# Altium PCB top_INA_v3.PcbDoc (part 3 of 5)
Units mil, origin at the board's own origin, x right, y up, seen from the top; angles counter-clockwise.
Board outline 10160 x 5830 mil, 2 copper layers (Top Layer, Bottom Layer); 635 components, 633 nets, 1722 pads, 292 vias.
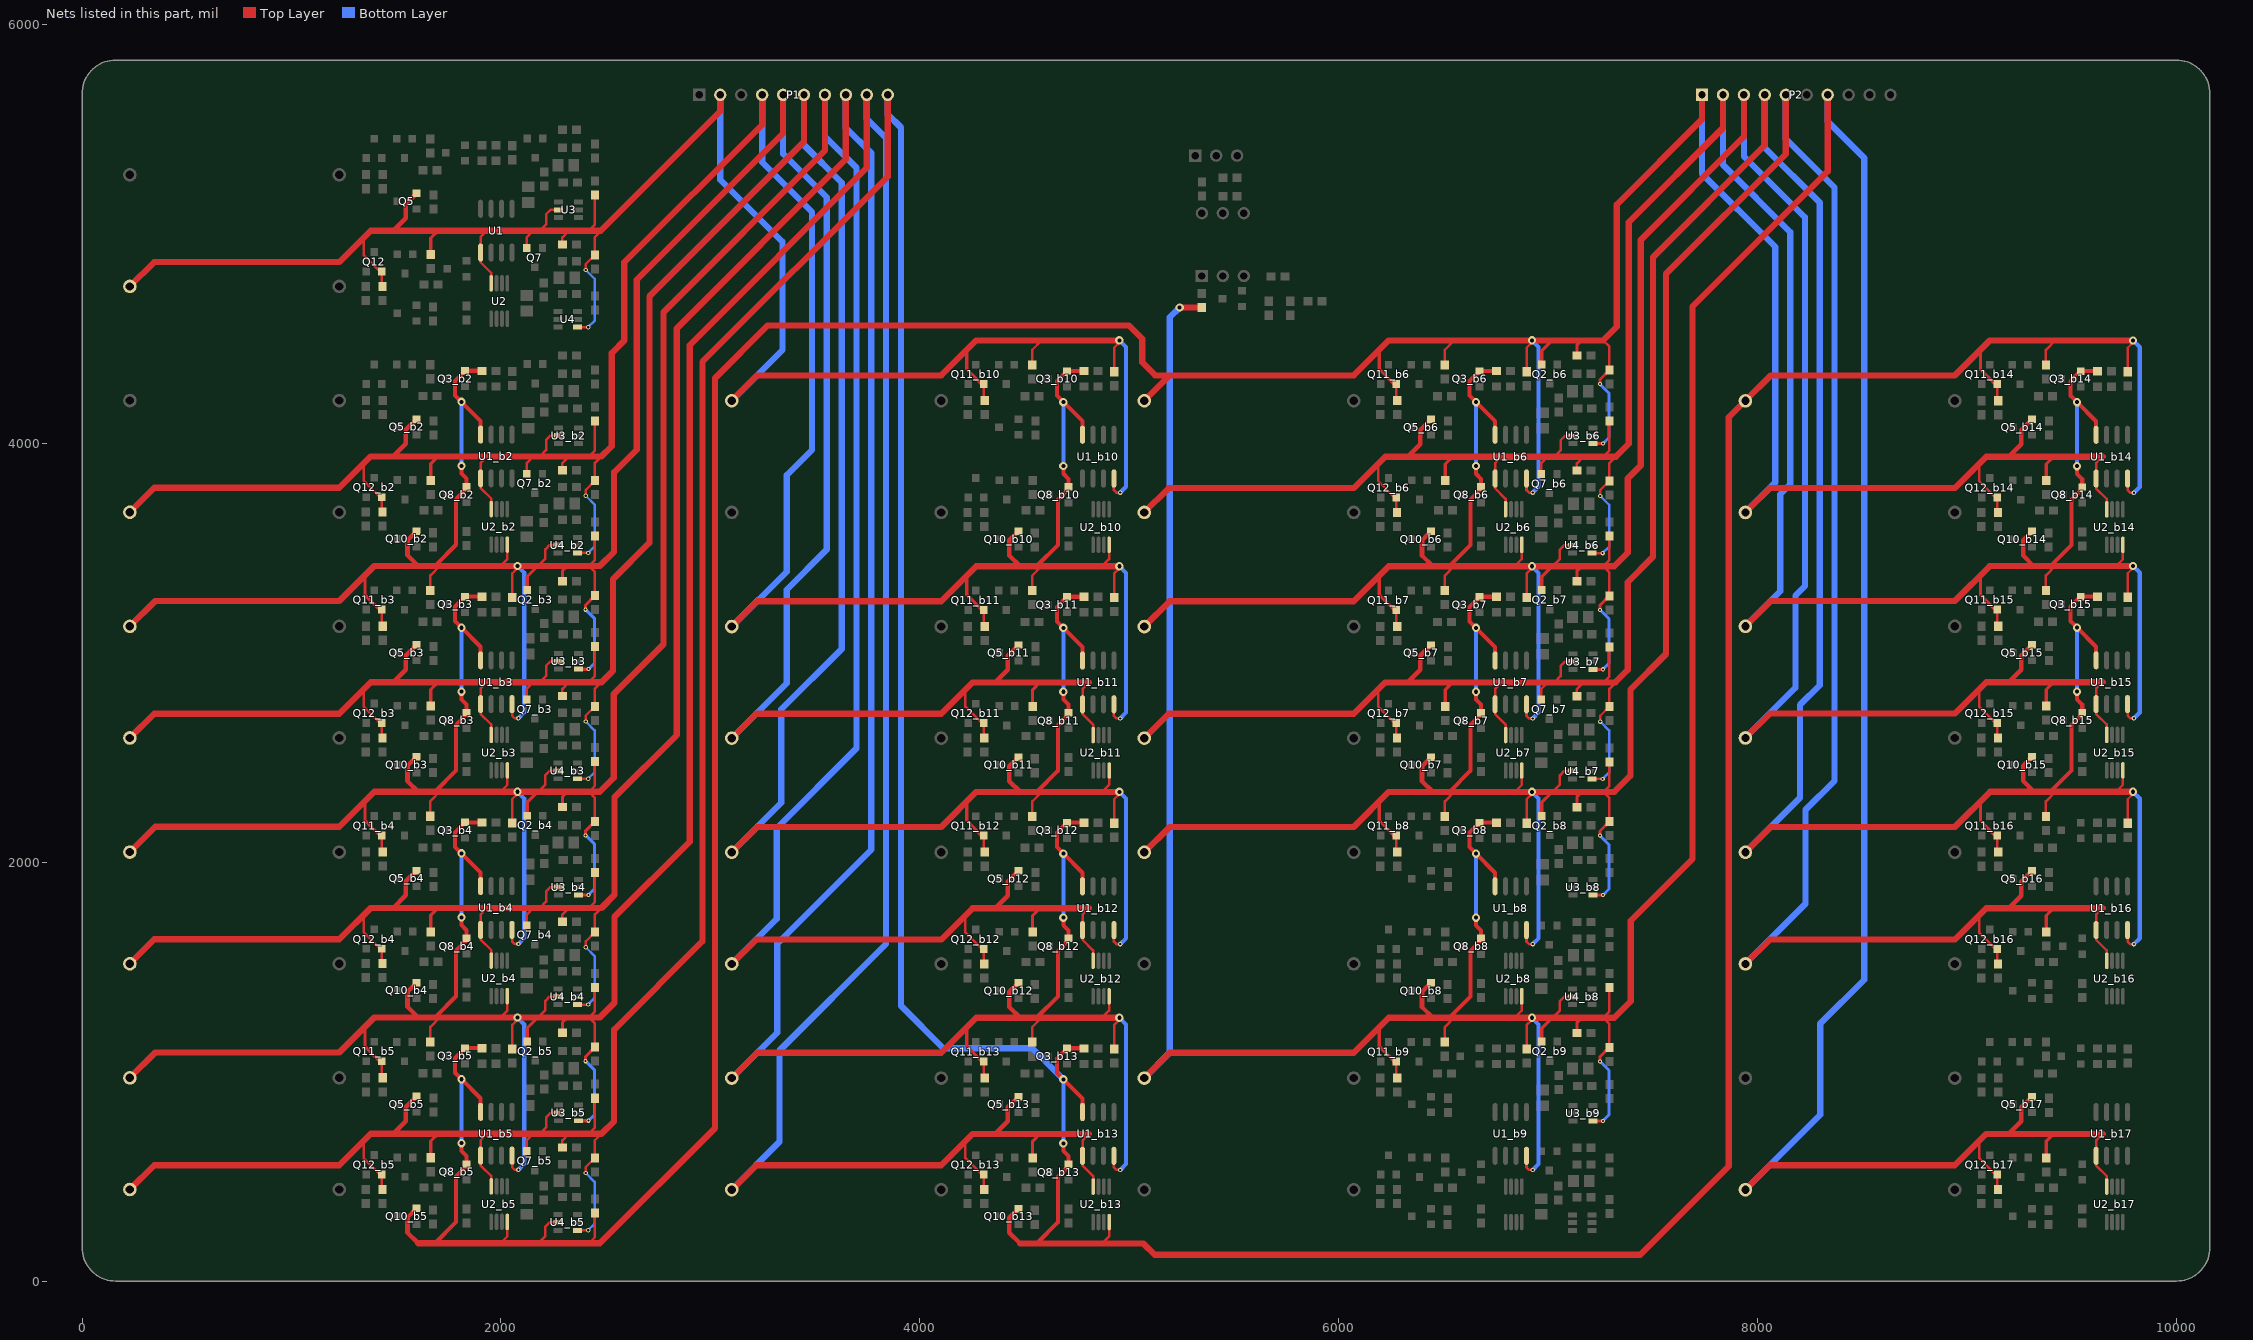
[diagram p3: the nets of this part, all layers, seen from the top]

## Via types
v1: diameter 20, hole 10, Top Layer to Bottom Layer, 235 vias
v2: diameter 40, hole 20, Top Layer to Bottom Layer, 53 vias
v3: diameter 125.98, hole 125.98, Top Layer to Bottom Layer, 4 vias

## Nets (pads, with @x,y where several pads share a name; then routed paths per layer and width w, separated by ;. In a path a pad name is that pad's centre, name@x,y a point inside that pad or via, vN(x,y) a via of type N, cw(c..) or ccw(c..) an arc to the next point about the centre after c; other vN are vias at no path point) (continued)
IN_A2: P1.5 Q2_b3.2 Q3_b2.2 Q5_b11.2 Q8_b2.2 Q10_b2.2 Q11_b3.2 Q12_b11.2 R1_b3.2 R6_b3.2 R7_b3.2 R8_b3.2 R9_b3.2 R12_b2.1 R14_b11.2 R19_b11.2 R24_b2.1 R40_b3.1 R42_b11.1 U1_b2.4 U1_b3.8 U1_b11.5 U2_b2.4 U2_b11.8 U3_b3.4 U4_b2.2 | length 16031.8
  Top Layer w12: Q11_b3.2@1431.4,3206 1431.4,3131.32 R40_b3.1@1436,3126.72 ; R6_b3.2@1662.87,3297.46 1662.87,3369.79 1707.54,3414.46 1707.61,3414.54 ; 1996.8,3414.46 1996.87,3414.54 2030.25,3447.92 U2_b2.4@2030.25,3516.89 ; U1_b3.8@2052.87,2755.05 2052.87,2699.54 2064.87,2687.54 v1(2082.87,2687.54) ; R9_b3.2@2053.87,3265 2053.87,3379.54 2078.87,3404.54 2078.87,3414.46 v2(2078.87,3414.54) ; 2177.01,3414.46 2177.08,3414.54 2212.01,3449.46 2212.01,3493.93 2232.01,3513.93 U4_b2.2@2271.76,3513.93 ; 2419.25,3414.54 2419.32,3414.46 2448.87,3384.92 R8_b3.2@2448.87,3273 R8_b3.2@2448.4,3272.54 ; 2420.18,3414.46 2448.87,3443.15 R24_b2.1@2448.87,3558.07 ; 4217.99,2823.11 4217.99,2743.33 4297.25,2664.07 Q12_b11.2@4305.39,2664.07 4305.39,2595.4 R42_b11.1@4307.99,2592.8 ; 4807.86,2858.61 4776.86,2827.61 U1_b11.5@4776.86,2754.12 4776.86,2707.61 4827.47,2657 U2_b11.8@4827.47,2607.26
  Top Layer w15: 1350,3363.79 1350,3277.82 Q11_b3.2@1421.82,3206 ; Q2_b3.2@2125.61,3300.19 2125.61,3364.52 2175.55,3414.46 2175.62,3414.54 2176.01,3414.54 ; R7_b3.2@2293.54,3341.93 2293.54,3391.07 2314.01,3411.54 ; U3_b3.4@2370.25,2921.52 2417.61,2921.52 v1(2418.01,2921.93) ; v1(2404.01,3205.93) 2404.01,3228.14 R8_b3.2@2448.4,3272.54 ; R19_b11.2@4538.86,2744.07 4538.86,2823.61 4573.86,2858.61 4577.86,2858.61
  Top Layer w20: Q11_b3.2@1421.82,3206 Q11_b3.2@1431.4,3206 ; 1686.87,3417.07 1785.87,3516.07 1785.87,3733.09 1836.13,3783.35 Q8_b2.2@1836.13,3792.94 1836.13,3831.28 1811.73,3855.67 v2(1811.73,3892.54) ; U1_b2.4@1902.87,4042.02 1902.87,4106.8 v2(1811.73,4197.94) 1780.73,4228.94 1780.73,4298.08 Q3_b2.2@1828.99,4346.34 R12_b2.1@1909.87,4346.34
  Top Layer w22: Q10_b2.2@1597.13,3580.94 1553.87,3537.68 1553.87,3465.54 1604.87,3414.54 1604.94,3414.46 ; 4359.86,2858.61 4419.86,2918.61 4419.86,2985.75 Q5_b11.2@4471.12,3037.01
  Top Layer w30: R1_b3.2@228,3126.26 349.02,3247.28 1228,3247.28 1395.25,3414.54 1604.87,3414.54 1707.61,3414.54 1996.87,3414.54 v2(2078.87,3414.54) ; 1604.94,3414.46 1707.54,3414.46 1996.8,3414.46 2078.87,3414.46 2175.55,3414.46 2177.01,3414.46 2419.32,3414.46 2420.18,3414.46 2472,3414.46 2540,3482.46 2540,3862.08 2647.99,3970.07 2647.99,4781.81 3346.99,5480.81 P1.5@3346.99,5664.07 ; v2@2088.87,3414.54 2175.62,3414.54 ; 2176.01,3414.54 2177.08,3414.54 2419.25,3414.54 ; R14_b11.2@3101.99,2592.33 3218.27,2708.61 4101.99,2708.61 4251.99,2858.61 4359.86,2858.61 4573.86,2858.61 ; 4577.86,2858.61 4807.86,2858.61
  Bottom Layer w15: v1(2404.01,3205.93) 2447.01,3162.93 2447.01,2950.93 v1(2418.01,2921.93)
  Bottom Layer w20: v2(1811.73,3892.54) v2(1811.73,4197.94) ; v2(2078.87,3414.54) 2110.87,3382.54 2110.87,2715.54 v1(2082.87,2687.54)
  Bottom Layer w30: R14_b11.2@3101.99,2592.33 3363.99,2854.33 3363.99,3301.07 3556.15,3493.23 3556.15,5174.23 3346.99,5383.39 P1.5@3346.99,5664.07
IN_A3: P1.7 Q2_b4.2 Q3_b3.2 Q5_b12.2 Q8_b3.2 Q10_b3.2 Q11_b4.2 Q12_b12.2 R1_b4.2 R6_b4.2 R7_b4.2 R8_b4.2 R9_b4.2 R12_b3.1 R14_b12.2 R19_b12.2 R24_b3.1 R40_b4.1 R42_b12.1 U1_b3.4 U1_b4.8 U1_b12.5 U2_b3.4 U2_b12.8 U3_b4.4 U4_b3.2 | length 18305
  Top Layer w12: Q11_b4.2@1431.4,2128 1431.4,2053.32 R40_b4.1@1436,2048.72 ; R6_b4.2@1662.87,2219.46 1662.87,2291.79 1707.54,2336.46 1707.61,2336.54 ; 1996.8,2336.46 1996.87,2336.54 2030.25,2369.92 U2_b3.4@2030.25,2438.89 ; U1_b4.8@2052.87,1677.05 2052.87,1621.54 2064.87,1609.54 v1(2082.87,1609.54) ; R9_b4.2@2053.87,2187 2053.87,2301.54 2078.87,2326.54 2078.87,2336.46 v2(2078.87,2336.54) ; 2177.01,2336.46 2177.08,2336.54 2212.01,2371.46 2212.01,2415.93 2232.01,2435.93 U4_b3.2@2271.76,2435.93 ; 2419.25,2336.54 2419.32,2336.46 2448.87,2306.92 R8_b4.2@2448.87,2195 R8_b4.2@2448.4,2194.54 ; 2420.18,2336.46 2448.87,2365.15 R24_b3.1@2448.87,2480.07 ; 4217.99,1745.11 4217.99,1665.33 4297.25,1586.07 Q12_b12.2@4305.39,1586.07 4305.39,1517.4 R42_b12.1@4307.99,1514.8 ; 4807.86,1780.61 4776.86,1749.61 U1_b12.5@4776.86,1676.12 4776.86,1629.61 4827.47,1579 U2_b12.8@4827.47,1529.26
  Top Layer w15: 1350,2285.79 1350,2199.82 Q11_b4.2@1421.82,2128 ; Q2_b4.2@2125.61,2222.19 2125.61,2286.52 2175.55,2336.46 2175.62,2336.54 2176.01,2336.54 ; R7_b4.2@2293.54,2263.93 2293.54,2313.07 2314.01,2333.54 ; U3_b4.4@2370.25,1843.52 2417.61,1843.52 v1(2418.01,1843.93) ; v1(2404.01,2127.93) 2404.01,2150.14 R8_b4.2@2448.4,2194.54 ; R19_b12.2@4538.86,1666.07 4538.86,1745.61 4573.86,1780.61 4577.86,1780.61
  Top Layer w20: Q11_b4.2@1421.82,2128 Q11_b4.2@1431.4,2128 ; 1686.87,2339.07 1785.87,2438.07 1785.87,2655.09 1836.13,2705.35 Q8_b3.2@1836.13,2714.94 1836.13,2753.28 1811.73,2777.67 v2(1811.73,2814.54) ; U1_b3.4@1902.87,2964.02 1902.87,3028.8 v2(1811.73,3119.94) 1780.73,3150.94 1780.73,3220.08 Q3_b3.2@1828.99,3268.34 R12_b3.1@1909.87,3268.34
  Top Layer w22: Q10_b3.2@1597.13,2502.94 1553.87,2459.68 1553.87,2387.54 1604.87,2336.54 1604.94,2336.46 ; 4359.86,1780.61 4419.86,1840.61 4419.86,1907.75 Q5_b12.2@4471.12,1959.01
  Top Layer w30: R1_b4.2@228,2048.26 349.02,2169.28 1228,2169.28 1395.25,2336.54 1604.87,2336.54 1707.61,2336.54 1996.87,2336.54 v2(2078.87,2336.54) ; 1604.94,2336.46 1707.54,2336.46 1996.8,2336.46 2078.87,2336.46 2175.55,2336.46 2177.01,2336.46 2419.32,2336.46 2420.18,2336.46 2472,2336.46 2538,2402.46 2538,2803.08 2775.99,3041.07 2775.99,4626.97 3546.99,5397.97 P1.7@3546.99,5664.07 ; v2@2088.87,2336.54 2175.62,2336.54 ; 2176.01,2336.54 2177.08,2336.54 2419.25,2336.54 ; R14_b12.2@3101.99,1514.33 3218.27,1630.61 4101.99,1630.61 4251.99,1780.61 4359.86,1780.61 4573.86,1780.61 ; 4577.86,1780.61 4807.86,1780.61
  Bottom Layer w15: v1(2404.01,2127.93) 2447.01,2084.93 2447.01,1872.93 v1(2418.01,1843.93)
  Bottom Layer w20: v2(1811.73,2814.54) v2(1811.73,3119.94) ; v2(2078.87,2336.54) 2110.87,2304.54 2110.87,1637.54 v1(2082.87,1609.54)
  Bottom Layer w30: R14_b12.2@3101.99,1514.33 3316.99,1729.33 3316.99,2163.07 3697.57,2543.65 3697.57,5315.65 3546.99,5466.23 P1.7@3546.99,5664.07
IN_A4: P1.9 Q2_b5.2 Q3_b4.2 Q5_b13.2 Q8_b4.2 Q10_b4.2 Q11_b5.2 Q12_b13.2 R1_b5.2 R6_b5.2 R7_b5.2 R8_b5.2 R9_b5.2 R12_b4.1 R14_b13.2 R19_b13.2 R24_b4.1 R40_b5.1 R42_b13.1 U1_b4.4 U1_b5.8 U1_b13.5 U2_b4.4 U2_b13.8 U3_b5.4 U4_b4.2 | length 20578.1
  Top Layer w12: Q11_b5.2@1431.4,1050 1431.4,975.32 R40_b5.1@1436,970.72 ; R6_b5.2@1662.87,1141.46 1662.87,1213.79 1707.54,1258.46 1707.61,1258.54 ; 1996.8,1258.46 1996.87,1258.54 2030.25,1291.92 U2_b4.4@2030.25,1360.89 ; U1_b5.8@2052.87,599.05 2052.87,543.54 2064.87,531.54 v1(2082.87,531.54) ; R9_b5.2@2053.87,1109 2053.87,1223.54 2078.87,1248.54 2078.87,1258.46 v2(2078.87,1258.54) ; 2177.01,1258.46 2177.08,1258.54 2212.01,1293.46 2212.01,1337.93 2232.01,1357.93 U4_b4.2@2271.76,1357.93 ; 2419.25,1258.54 2419.32,1258.46 2448.87,1228.92 R8_b5.2@2448.87,1117 R8_b5.2@2448.4,1116.54 ; 2420.18,1258.46 2448.87,1287.15 R24_b4.1@2448.87,1402.07 ; 4217.99,667.11 4217.99,587.33 4297.25,508.07 Q12_b13.2@4305.39,508.07 4305.39,439.4 R42_b13.1@4307.99,436.8 ; 4807.86,702.61 4776.86,671.61 U1_b13.5@4776.86,598.12 4776.86,551.61 4827.47,501 U2_b13.8@4827.47,451.26
  Top Layer w15: 1350,1207.79 1350,1121.82 Q11_b5.2@1421.82,1050 ; Q2_b5.2@2125.61,1144.19 2125.61,1208.52 2175.55,1258.46 2175.62,1258.54 2176.01,1258.54 ; R7_b5.2@2293.54,1185.93 2293.54,1235.07 2314.01,1255.54 ; U3_b5.4@2370.25,765.52 2417.61,765.52 v1(2418.01,765.93) ; v1(2404.01,1049.93) 2404.01,1072.14 R8_b5.2@2448.4,1116.54 ; R19_b13.2@4538.86,588.07 4538.86,667.61 4573.86,702.61 4577.86,702.61
  Top Layer w20: Q11_b5.2@1421.82,1050 Q11_b5.2@1431.4,1050 ; 1686.87,1261.07 1785.87,1360.07 1785.87,1577.09 1836.13,1627.35 Q8_b4.2@1836.13,1636.94 1836.13,1675.28 1811.73,1699.67 v2(1811.73,1736.54) ; U1_b4.4@1902.87,1886.02 1902.87,1950.8 v2(1811.73,2041.94) 1780.73,2072.94 1780.73,2142.08 Q3_b4.2@1828.99,2190.34 R12_b4.1@1909.87,2190.34
  Top Layer w22: Q10_b4.2@1597.13,1424.94 1553.87,1381.68 1553.87,1309.54 1604.87,1258.54 1604.94,1258.46 ; 4359.86,702.61 4419.86,762.61 4419.86,829.75 Q5_b13.2@4471.12,881.01
  Top Layer w30: R1_b5.2@228,970.26 349.02,1091.28 1228,1091.28 1395.25,1258.54 1604.87,1258.54 1707.61,1258.54 1996.87,1258.54 v2(2078.87,1258.54) ; 1604.94,1258.46 1707.54,1258.46 1996.8,1258.46 2078.87,1258.46 2175.55,1258.46 2177.01,1258.46 2419.32,1258.46 2420.18,1258.46 2472,1258.46 2542,1328.46 2542,1739.08 2900.99,2098.07 2900.99,4469.12 3746.99,5315.12 P1.9@3746.99,5664.07 ; v2@2088.87,1258.54 2175.62,1258.54 ; 2176.01,1258.54 2177.08,1258.54 2419.25,1258.54 ; R14_b13.2@3101.99,436.33 3218.27,552.61 4101.99,552.61 4251.99,702.61 4359.86,702.61 4573.86,702.61 ; 4577.86,702.61 4807.86,702.61
  Bottom Layer w15: v1(2404.01,1049.93) 2447.01,1006.93 2447.01,794.93 v1(2418.01,765.93)
  Bottom Layer w20: v2(1811.73,1736.54) v2(1811.73,2041.94) ; v2(2078.87,1258.54) 2110.87,1226.54 2110.87,559.54 v1(2082.87,531.54)
  Bottom Layer w30: R14_b13.2@3101.99,436.33 3329.99,664.33 3329.99,1101.07 3838.99,1610.07 3838.99,5457.07 3746.99,5549.07 P1.9@3746.99,5664.07
IN_A5: P2.1 Q2_b6.2 Q3_b5.2 Q5_b14.2 Q8_b5.2 Q10_b5.2 Q11_b6.2 Q12_b14.2 R1_b6.2 R6_b6.2 R7_b6.2 R8_b6.2 R9_b6.2 R12_b5.1 R14_b14.2 R19_b14.2 R24_b5.1 R40_b6.1 R42_b14.1 U1_b5.4 U1_b6.8 U1_b14.5 U2_b5.4 U2_b14.8 U3_b6.4 U4_b5.2 | length 20437.6
  Top Layer w12: 1996.8,180.46 2030.25,213.92 U2_b5.4@2030.25,282.89 ; 2177.01,180.46 2212.01,215.46 2212.01,259.93 2232.01,279.93 U4_b5.2@2271.76,279.93 ; 2420.18,180.46 2448.87,209.15 R24_b5.1@2448.87,324.07 ; Q11_b6.2@6275.39,4283.07 6275.39,4208.4 R40_b6.1@6279.99,4203.8 ; R6_b6.2@6506.86,4374.54 6506.86,4446.86 6551.61,4491.61 ; U1_b6.8@6896.86,3832.12 6896.86,3776.61 6908.86,3764.61 v1(6926.86,3764.61) ; R9_b6.2@6897.86,4342.07 6897.86,4456.61 6922.86,4481.61 v2(6922.86,4491.61) ; 7263.24,4491.61 7292.86,4461.99 R8_b6.2@7292.86,4350.07 R8_b6.2@7292.39,4349.61 ; 9057.99,3900.85 9057.99,3821.07 9137.25,3741.81 Q12_b14.2@9145.39,3741.81 9145.39,3673.14 R42_b14.1@9147.99,3670.54 ; 9647.86,3936.35 9616.86,3905.35 U1_b14.5@9616.86,3831.86 9616.86,3785.35 9667.47,3734.74 U2_b14.8@9667.47,3685
  Top Layer w15: 6193.99,4440.86 6193.99,4354.89 Q11_b6.2@6265.81,4283.07 ; Q2_b6.2@6969.6,4377.26 6969.6,4441.6 7019.61,4491.61 7020,4491.61 ; R7_b6.2@7137.54,4419 7137.54,4468.14 7158,4488.61 ; U3_b6.4@7214.24,3998.6 7261.6,3998.6 v1(7262,3999) ; v1(7248,4283) 7248,4305.22 R8_b6.2@7292.39,4349.61 ; R19_b14.2@9378.86,3821.81 9378.86,3901.35 9413.86,3936.35 9417.86,3936.35
  Top Layer w20: 1686.87,183.07 1785.87,282.07 1785.87,499.09 1836.13,549.35 Q8_b5.2@1836.13,558.94 1836.13,597.28 1811.73,621.67 v2(1811.73,658.54) ; U1_b5.4@1902.87,808.02 1902.87,872.8 v2(1811.73,963.94) 1780.73,994.94 1780.73,1064.08 Q3_b5.2@1828.99,1112.34 R12_b5.1@1909.87,1112.34 ; Q11_b6.2@6265.81,4283.07 Q11_b6.2@6275.39,4283.07
  Top Layer w22: Q10_b5.2@1597.13,346.94 1553.87,303.68 1553.87,231.54 1604.94,180.46 ; 9199.86,3936.35 9259.86,3996.35 9259.86,4063.49 Q5_b14.2@9311.12,4114.75
  Top Layer w30: 1604.94,180.46 1996.8,180.46 2177.01,180.46 2420.18,180.46 2472,180.46 3022,730.46 3022,4311 3274,4563 4998,4563 5062,4499 5062,4387 5124.64,4324.36 5193.02,4324.36 ; R1_b6.2@5071.99,4203.33 5193.02,4324.36 ; v2(6922.86,4491.61) 6551.61,4491.61 6239.24,4491.61 6071.99,4324.36 5193.02,4324.36 ; v2@6932.86,4491.61 7019.61,4491.61 ; 7020,4491.61 7263.24,4491.61 7327.99,4556.36 7327.99,5140.07 7734.99,5547.07 P2.1@7734.99,5664.07 ; R14_b14.2@7941.99,3670.07 8058.27,3786.35 8941.99,3786.35 9091.99,3936.35 9199.86,3936.35 9413.86,3936.35 ; 9417.86,3936.35 9647.86,3936.35
  Bottom Layer w15: v1(7248,4283) 7291,4240 7291,4028 v1(7262,3999)
  Bottom Layer w20: v2(1811.73,658.54) v2(1811.73,963.94) ; v2(6922.86,4491.61) 6954.86,4459.61 6954.86,3792.61 v1(6926.86,3764.61)
  Bottom Layer w30: P2.1@7734.99,5664.07 7734.99,5288.12 8085.02,4938.1 8085.02,3813.1 R14_b14.2@7941.99,3670.07
IN_A6: P2.3 Q2_b7.2 Q3_b6.2 Q5_b15.2 Q8_b6.2 Q10_b6.2 Q11_b7.2 Q12_b15.2 R1_b7.2 R6_b7.2 R7_b7.2 R8_b7.2 R9_b7.2 R12_b6.1 R14_b15.2 R19_b15.2 R24_b6.1 R40_b7.1 R42_b15.1 U1_b6.4 U1_b7.8 U1_b15.5 U2_b6.4 U2_b15.8 U3_b7.4 U4_b6.2 | length 15889.5
  Top Layer w12: Q11_b7.2@6275.39,3205.07 6275.39,3130.4 R40_b7.1@6279.99,3125.8 ; R6_b7.2@6506.86,3296.54 6506.86,3368.86 6551.54,3413.54 6551.61,3413.61 ; 6840.79,3413.54 6840.86,3413.61 6874.24,3447 U2_b6.4@6874.24,3515.96 ; U1_b7.8@6896.86,2754.12 6896.86,2698.61 6908.86,2686.61 v1(6926.86,2686.61) ; R9_b7.2@6897.86,3264.07 6897.86,3378.61 6922.86,3403.61 v2(6922.86,3413.61) v2(6922.86,3413.61) ; 7021,3413.54 7021.07,3413.61 7056,3448.54 7056,3493 7076,3513 U4_b6.2@7115.76,3513 ; 7263.24,3413.61 7263.31,3413.54 7292.86,3383.99 R8_b7.2@7292.86,3272.07 R8_b7.2@7292.39,3271.61 ; 7264.17,3413.54 7292.86,3442.22 R24_b6.1@7292.86,3557.14 ; 9057.99,2824.11 9057.99,2744.33 9137.25,2665.07 Q12_b15.2@9145.39,2665.07 9145.39,2596.4 R42_b15.1@9147.99,2593.8 ; 9647.86,2859.61 9616.86,2828.61 U1_b15.5@9616.86,2755.12 9616.86,2708.61 9667.47,2658 U2_b15.8@9667.47,2608.26
  Top Layer w15: 6193.99,3362.86 6193.99,3276.89 Q11_b7.2@6265.81,3205.07 ; Q2_b7.2@6969.6,3299.26 6969.6,3363.6 7019.54,3413.54 7019.61,3413.61 7020,3413.61 ; R7_b7.2@7137.54,3341 7137.54,3390.14 7158,3410.61 ; U3_b7.4@7214.24,2920.6 7261.6,2920.6 v1(7262,2921) ; v1(7248,3205) 7248,3227.22 R8_b7.2@7292.39,3271.61 ; R19_b15.2@9378.86,2745.07 9378.86,2824.61 9413.86,2859.61 9417.86,2859.61
  Top Layer w20: Q11_b7.2@6265.81,3205.07 Q11_b7.2@6275.39,3205.07 ; 6530.86,3416.14 6629.86,3515.14 6629.86,3732.17 6680.12,3782.43 Q8_b6.2@6680.12,3792.01 6680.12,3830.35 6655.72,3854.74 v2(6655.72,3891.61) ; U1_b6.4@6746.86,4041.1 6746.86,4105.88 v2(6655.72,4197.01) 6624.72,4228.01 6624.72,4297.15 Q3_b6.2@6672.98,4345.41 R12_b6.1@6753.86,4345.41
  Top Layer w22: Q10_b6.2@6441.12,3580.01 6397.86,3536.75 6397.86,3464.61 6448.86,3413.61 6448.93,3413.54 ; 9199.86,2859.61 9259.86,2919.61 9259.86,2986.75 Q5_b15.2@9311.12,3038.01
  Top Layer w30: R1_b7.2@5071.99,3125.33 5193.02,3246.36 6071.99,3246.36 6239.24,3413.61 6448.86,3413.61 6551.61,3413.61 6840.86,3413.61 v2(6922.86,3413.61) ; 6448.93,3413.54 6551.54,3413.54 6840.79,3413.54 v2(6922.86,3413.61) 7019.54,3413.54 7021,3413.54 7263.31,3413.54 7264.17,3413.54 7315.99,3413.54 7380,3477.55 7380,3832.08 7441.99,3894.07 7441.99,4971.23 7934.99,5464.23 P2.3@7934.99,5664.07 ; v2@6932.86,3413.61 7019.61,3413.61 ; 7020,3413.61 7021.07,3413.61 7263.24,3413.61 ; R14_b15.2@7941.99,2593.33 8058.27,2709.61 8941.99,2709.61 9091.99,2859.61 9199.86,2859.61 9413.86,2859.61 ; 9417.86,2859.61 9647.86,2859.61
  Bottom Layer w15: v1(7248,3205) 7291,3162 7291,2950 v1(7262,2921)
  Bottom Layer w20: v2(6655.72,3891.61) v2(6655.72,4197.01) ; v2(6922.86,3413.61) 6954.86,3381.61 6954.86,2714.61 v1(6926.86,2686.61)
  Bottom Layer w30: P2.3@7934.99,5664.07 7934.99,5370.97 8226.44,5079.52 8226.44,3318.52 8180.99,3273.07 8180.99,2832.33 R14_b15.2@7941.99,2593.33
IN_A7: P2.5 Q2_b8.2 Q3_b7.2 Q5_b16.2 Q8_b7.2 Q10_b7.2 Q11_b8.2 Q12_b16.2 R1_b8.2 R6_b8.2 R7_b8.2 R8_b8.2 R9_b8.2 R12_b7.1 R14_b16.2 R19_b16.2 R24_b7.1 R40_b8.1 R42_b16.1 U1_b7.4 U1_b8.8 U1_b16.5 U2_b7.4 U2_b16.8 U3_b8.4 U4_b7.2 | length 18163.7
  Top Layer w12: Q11_b8.2@6275.39,2127.07 6275.39,2052.4 R40_b8.1@6279.99,2047.8 ; R6_b8.2@6506.86,2218.54 6506.86,2290.86 6551.54,2335.54 6551.61,2335.61 ; 6840.79,2335.54 6840.86,2335.61 6874.24,2369 U2_b7.4@6874.24,2437.96 ; U1_b8.8@6896.86,1676.12 6896.86,1620.61 6908.86,1608.61 v1(6926.86,1608.61) ; R9_b8.2@6897.86,2186.07 6897.86,2300.61 6922.86,2325.61 v2(6922.86,2335.61) v2(6922.86,2335.61) ; 7021,2335.54 7021.07,2335.61 7056,2370.54 7056,2415 7076,2435 U4_b7.2@7115.76,2435 ; 7263.24,2335.61 7263.31,2335.54 7292.86,2305.99 R8_b8.2@7292.86,2194.07 R8_b8.2@7292.39,2193.61 ; 7264.17,2335.54 7292.86,2364.22 R24_b7.1@7292.86,2479.14 ; 9057.99,1745.11 9057.99,1665.33 9137.25,1586.07 Q12_b16.2@9145.39,1586.07 9145.39,1517.4 R42_b16.1@9147.99,1514.8 ; 9647.86,1780.61 9616.86,1749.61 U1_b16.5@9616.86,1676.12 9616.86,1629.61 9667.47,1579 U2_b16.8@9667.47,1529.26
  Top Layer w15: 6193.99,2284.86 6193.99,2198.89 Q11_b8.2@6265.81,2127.07 ; Q2_b8.2@6969.6,2221.26 6969.6,2285.6 7019.54,2335.54 7019.61,2335.61 7020,2335.61 ; R7_b8.2@7137.54,2263 7137.54,2312.14 7158,2332.61 ; U3_b8.4@7214.24,1842.6 7261.6,1842.6 v1(7262,1843) ; v1(7248,2127) 7248,2149.22 R8_b8.2@7292.39,2193.61 ; R19_b16.2@9378.86,1666.07 9378.86,1745.61 9413.86,1780.61 9417.86,1780.61
  Top Layer w20: Q11_b8.2@6265.81,2127.07 Q11_b8.2@6275.39,2127.07 ; 6530.86,2338.14 6629.86,2437.14 6629.86,2654.17 6680.12,2704.43 Q8_b7.2@6680.12,2714.01 6680.12,2752.35 6655.72,2776.74 v2(6655.72,2813.61) ; U1_b7.4@6746.86,2963.1 6746.86,3027.88 v2(6655.72,3119.01) 6624.72,3150.01 6624.72,3219.15 Q3_b7.2@6672.98,3267.41 R12_b7.1@6753.86,3267.41
  Top Layer w22: Q10_b7.2@6441.12,2502.01 6397.86,2458.75 6397.86,2386.61 6448.86,2335.61 6448.93,2335.54 ; 9199.86,1780.61 9259.86,1840.61 9259.86,1907.75 Q5_b16.2@9311.12,1959.01
  Top Layer w30: R1_b8.2@5071.99,2047.33 5193.02,2168.36 6071.99,2168.36 6239.24,2335.61 6448.86,2335.61 6551.61,2335.61 6840.86,2335.61 v2(6922.86,2335.61) ; 6448.93,2335.54 6551.54,2335.54 6840.79,2335.54 v2(6922.86,2335.61) 7019.54,2335.54 7021,2335.54 7263.31,2335.54 7264.17,2335.54 7315.99,2335.54 7393,2412.55 7393,2824.08 7562.99,2994.07 7562.99,4809.39 8134.99,5381.39 P2.5@8134.99,5664.07 ; v2@6932.86,2335.61 7019.61,2335.61 ; 7020,2335.61 7021.07,2335.61 7263.24,2335.61 ; R14_b16.2@7941.99,1514.33 8058.27,1630.61 8941.99,1630.61 9091.99,1780.61 9199.86,1780.61 9413.86,1780.61 ; 9417.86,1780.61 9647.86,1780.61